# KiCad board owl-driver-board-16.kicad_pcb (continued)
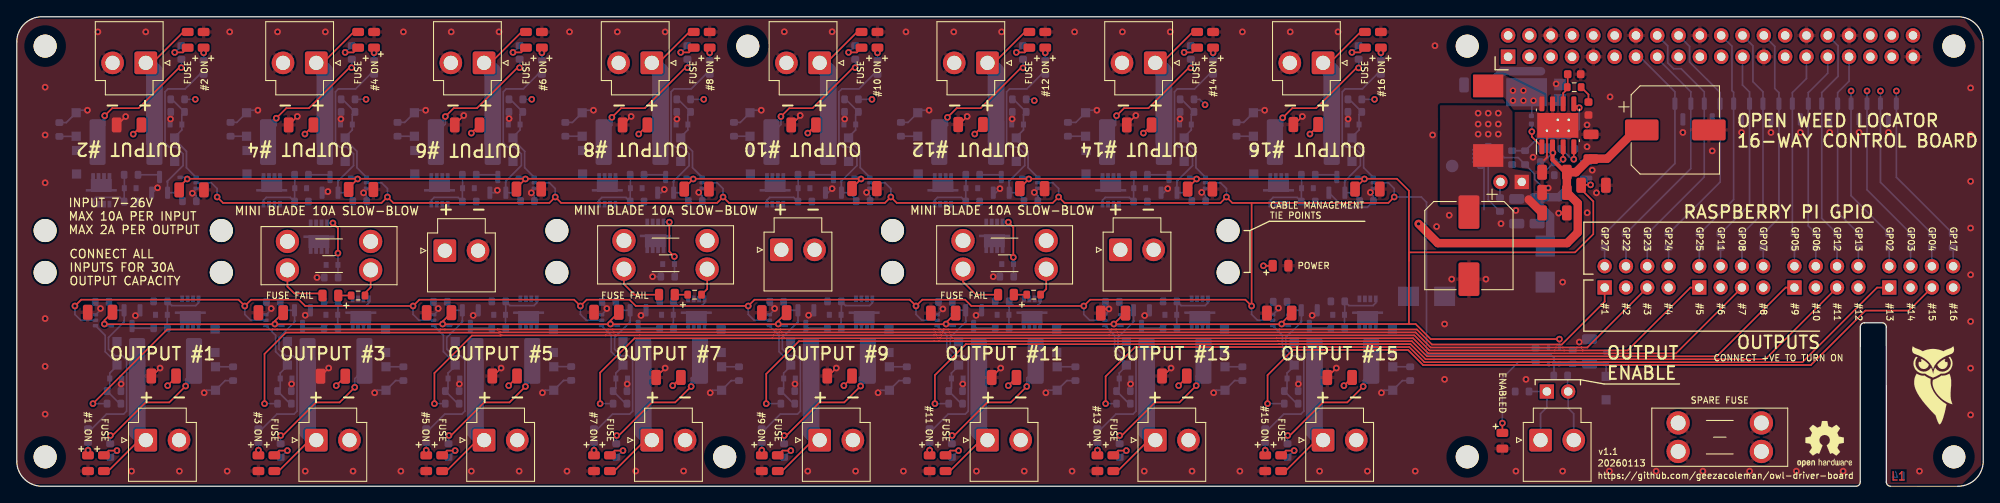
[diagram p0: board, top side]
## Routing (per net, layer and track width the routed paths; a pad name or vN(x,y) marks a point on that pad's centre or on a via; arc(x,y) is an arc through that point) (continued)
MOSFET11: length 118.4
  Top w0.2: J27.5 208.41,15.15 167.92,15.15 166.12,16.95 150.45,16.95 150.44,16.95 113.13,16.95 109.43,13.25 v1(109.43,9.85)
  Bottom w0.2: v1(109.43,9.85) R101.2
MOSFET12: length 111.5
  In1.Cu w0.2: v1(121.28,46) 121.63,46.35 143.83,46.35 169.78,20.4 216.2,20.4 J27.7
  Bottom w0.2: R108.2 121.13,46.15 v1(121.28,46)
MOSFET13: length 103.8
  Top w0.2: v1(129.78,9.85) 129.78,13.1 133.28,16.6 150.59,16.6 150.59,16.6 165.98,16.6 167.78,14.8 212.83,14.8 221.73,23.7 J29.1
  Bottom w0.2: v1(129.78,9.85) R115.2
MOSFET14: length 97.7
  In1.Cu w0.2: v1(141.63,45.5) 144.18,45.5 169.63,20.05 222.07,20.05 J29.3
  Bottom w0.2: R122.2 140.98,46.15 v1(141.63,45.5)
MOSFET15: length 90.4
  Top w0.2: v1(149.08,9.85) 149.08,13.25 152.08,16.25 165.83,16.25 167.63,14.45 213.83,14.45 220.33,20.95 225.51,20.95 J29.5
  Bottom w0.2: v1(149.08,9.85) R129.2
MOSFET16: length 86.2
  In1.Cu w0.2: J29.7 232.08,24.98 232.08,28 230.23,29.85 174.6,29.85 161.83,42.62 v1(161.83,46.15)
  Bottom w0.2: v1(161.83,46.15) R136.2
PI1: length 2.2
  Bottom w0.2: J6.2 R38.2
PI2: length 2.2
  Bottom w0.2: J6.4 191.8,28.44
PI3: length 2.2
  Bottom w0.2: J6.6 194.34,28.46
PI4: length 2.2
  Bottom w0.2: J6.8 196.88,28.46
PI5: length 2.2
  Bottom w0.2: J25.2 200.54,28.46
PI6: length 2.2
  Bottom w0.2: J25.4 203.08,28.46
PI7: length 2.2
  Bottom w0.2: J25.6 205.62,28.44
PI8: length 2.2
  Bottom w0.2: J25.8 R32.2
PI9: length 2.2
  Bottom w0.2: J27.2 211.88,28.46
PI10: length 2.2
  Bottom w0.2: J27.4 214.42,28.44
PI11: length 2.2
  Bottom w0.2: J27.6 R144.2
PI12: length 2.2
  Bottom w0.2: J27.8 219.5,28.42
PI13: length 2.2
  Bottom w0.2: J29.2 223.18,28.46
PI14: length 2.2
  Bottom w0.2: J29.4 225.72,28.44
PI15: length 2.2
  Bottom w0.2: J29.6 R36.2
PI16: length 2.2
  Bottom w0.2: J29.8 230.8,28.44
Net-(C23-Pad1): length 2.1
  Top w0.2: R44.2 187.33,46.73 C23.1
Net-(D1-A): length 1.5
  Top w0.2: R1.1 D1.2
Net-(D1-K): length 6.3
  Top w0.2: 36.14,22.78 35.92,23 33.08,23 32.26,23.82 F1.2
Net-(D4-A): length 2.8
  Top w0.2: v1(11.94,4.25) 10.95,4.25 D4.2
  Bottom w0.2: 11.24,3.55 v1(11.94,4.25)
Net-(D5-A): length 2.8
  Top w0.2: v1(18.82,51.75) 19.81,51.75 D5.2
  Bottom w0.2: 19.52,52.45 v1(18.82,51.75)
Net-(D6-A): length 7.4
  Top w0.2: v1(37.68,31.4) 38.28,30.8 v1(38.28,27.8)
  Bottom w0.2: v1(38.28,27.8) D6.2 38.28,24.93 ; v1(37.68,31.4) 37.67,31.41 Q1.1
Net-(D12-A): length 11.2
  Bottom w0.2: U5.1 10.54,18 10.54,16.05 11.94,14.65 ; 11.94,14.35 11.09,13.5 D45.1 11.09,11.68 R53.2 12.26,9.85
Net-(D13-A): length 11.2
  Bottom w0.2: 18.82,41.65 19.67,42.5 D46.1 19.67,44.33 R54.2 18.5,46.15 ; 18.82,41.35 20.22,39.95 20.22,38 U6.1
Net-(D14-A): length 11.2
  Bottom w0.2: 32.25,14.65 30.85,16.05 30.85,18 U7.1 ; 32.58,9.85 R56.2 31.4,11.68 D47.1 31.4,13.5 32.25,14.35
Net-(D19-A): length 2.8
  Top w0.2: v1(32.25,4.25) 31.26,4.25 D19.2
  Bottom w0.2: 31.55,3.55 v1(32.25,4.25)
Net-(D20-A): length 11.2
  Bottom w0.2: U10.1 40.54,38 40.54,39.95 39.14,41.35 ; 38.81,46.15 R57.2 39.99,44.33 D48.1 39.99,42.5 39.14,41.65
Net-(D24-A): length 2.8
  Top w0.2: v1(39.14,51.75) 40.12,51.75 D24.2
  Bottom w0.2: 39.84,52.45 v1(39.14,51.75)
Net-(D25-A): length 11.2
  Bottom w0.2: 52.25,14.65 50.85,16.05 50.85,18 U11.1 ; 52.58,9.85 R62.2 51.4,11.68 D49.1 51.4,13.5 52.25,14.35
Net-(D29-A): length 0.9
  Bottom w0.2: R58.1 v1(8.49,4.3)
Net-(D30-A): length 0.9
  Bottom w0.2: R59.1 v1(22.27,51.7)
Net-(D31-A): length 0.9
  Bottom w0.2: R60.1 v1(28.8,4.3)
Net-(D32-A): length 1.5
  Top w0.2: R24.1 D32.2
Net-(D32-K): length 6.5
  Top w0.2: D32.1 73.63,22.85 72.37,24.11 F18.2
Net-(D33-A): length 7.4
  Top w0.2: v1(78.38,27.4) 77.78,28 v1(77.78,31.5)
  Bottom w0.2: D33.2 78.39,25.03 ; Q34.1 77.77,31.51 v1(77.78,31.5) ; v1(78.38,27.4) 78.38,26.51
Net-(D37-A): length 0.9
  Bottom w0.2: R61.1 v1(42.59,51.7)
Net-(D38-A): length 2.3
  Top w0.2: v1(148.58,26.3) D38.2
  Bottom w0.2: v1(148.58,26.3) 149.8,26.3
Net-(D41-A): length 11.3
  Top w0.2: D41.2 v1(177.07,7.53)
  Bottom w0.2: R55.1 178.99,14.83 177.07,12.9 v1(177.07,7.53)
Net-(D42-A): length 0.9
  Bottom w0.2: R63.1 v1(48.8,4.3)
Net-(D43-A): length 2.8
  Top w0.2: D43.2 51.26,4.25 v1(52.25,4.25)
  Bottom w0.2: 51.55,3.55 v1(52.25,4.25)
Net-(D44-A): length 11.2
  Bottom w0.2: 59.14,41.65 59.99,42.5 D50.1 59.99,44.33 R67.2 58.81,46.15 ; 59.14,41.35 60.54,39.95 60.54,38 U12.1
Net-(D51-A): length 0.9
  Bottom w0.2: R68.1 v1(62.59,51.7)
Net-(D55-A): length 2.8
  Top w0.2: D55.2 60.12,51.75 v1(59.14,51.75)
  Bottom w0.2: 59.84,52.45 v1(59.14,51.75)
Net-(D56-A): length 11.2
  Bottom w0.2: 72.58,9.85 R74.2 71.4,11.68 D57.1 71.4,13.5 72.25,14.35 ; U13.1 70.85,18 70.85,16.05 72.25,14.65
Net-(D58-A): length 0.9
  Bottom w0.2: R75.1 v1(68.8,4.3)
Net-(D62-A): length 2.8
  Top w0.2: v1(72.25,4.25) 71.26,4.25 D62.2
  Bottom w0.2: 71.55,3.55 v1(72.25,4.25)
Net-(D63-A): length 11.2
  Bottom w0.2: 79.14,41.35 80.54,39.95 80.54,38 U14.1 ; 78.81,46.15 R81.2 79.99,44.33 D64.1 79.99,42.5 79.14,41.65
Net-(D65-A): length 0.9
  Bottom w0.2: R82.1 v1(82.59,51.7)
Net-(D69-A): length 2.8
  Top w0.2: v1(79.14,51.75) 80.12,51.75 D69.2
  Bottom w0.2: 79.84,52.45 v1(79.14,51.75)
Net-(D70-A): length 11.2
  Bottom w0.2: U15.1 90.85,18 90.85,16.05 92.25,14.65 ; 92.25,14.35 91.4,13.5 D71.1 91.4,11.68 R88.2 92.58,9.85
Net-(D72-A): length 0.9
  Bottom w0.2: R89.1 v1(88.8,4.3)
Net-(D76-A): length 2.8
  Top w0.2: D76.2 91.26,4.25 v1(92.25,4.25)
  Bottom w0.2: 91.55,3.55 v1(92.25,4.25)
Net-(D77-A): length 11.2
  Bottom w0.2: 99.14,41.65 99.99,42.5 D78.1 99.99,44.33 R95.2 98.81,46.15 ; U16.1 100.54,38 100.54,39.95 99.14,41.35
Net-(D79-A): length 0.9
  Bottom w0.2: R96.1 v1(102.59,51.7)
Net-(D83-A): length 2.8
  Top w0.2: v1(99.14,51.75) 100.12,51.75 D83.2
  Bottom w0.2: 99.84,52.45 v1(99.14,51.75)
Net-(D84-A): length 11.2
  Bottom w0.2: 112.58,9.85 R102.2 111.4,11.68 D85.1 111.4,13.5 112.25,14.35 ; U17.1 110.85,18 110.85,16.05 112.25,14.65
Net-(D86-A): length 0.9
  Bottom w0.2: R103.1 v1(108.8,4.3)
Net-(D90-A): length 2.8
  Top w0.2: v1(112.25,4.25) 111.26,4.25 D90.2
  Bottom w0.2: 111.55,3.55 v1(112.25,4.25)
Net-(D91-A): length 11.2
  Bottom w0.2: U18.1 120.54,38 120.54,39.95 119.14,41.35 ; 119.14,41.65 119.99,42.5 D92.1 119.99,44.33 R109.2 118.81,46.15
Net-(D93-A): length 0.9
  Bottom w0.2: R110.1 v1(122.59,51.7)
Net-(D97-A): length 2.8
  Top w0.2: v1(119.14,51.75) 120.12,51.75 D97.2
  Bottom w0.2: 119.84,52.45 v1(119.14,51.75)
Net-(D98-A): length 11.2
  Bottom w0.2: U19.1 130.85,18 130.85,16.05 132.25,14.65 ; 132.58,9.85 R116.2 131.4,11.68 D99.1 131.4,13.5 132.25,14.35
Net-(D100-A): length 0.9
  Bottom w0.2: R117.1 v1(128.8,4.3)
Net-(D104-A): length 2.8
  Top w0.2: v1(132.25,4.25) 131.26,4.25 D104.2
  Bottom w0.2: 131.55,3.55 v1(132.25,4.25)
Net-(D105-A): length 11.2
  Bottom w0.2: 139.14,41.35 140.54,39.95 140.54,38 U20.1 ; 138.81,46.15 R123.2 139.99,44.33 D106.1 139.99,42.5 139.14,41.65
Net-(D107-A): length 0.9
  Bottom w0.2: R124.1 v1(142.59,51.7)
Net-(D111-A): length 2.8
  Top w0.2: D111.2 140.12,51.75 v1(139.14,51.75)
  Bottom w0.2: 139.84,52.45 v1(139.14,51.75)
Net-(D112-A): length 11.2
  Bottom w0.2: 152.25,14.35 151.4,13.5 D113.1 151.4,11.68 R130.2 152.58,9.85 ; U21.1 150.85,18 150.85,16.05 152.25,14.65
Net-(D114-A): length 0.9
  Bottom w0.2: R131.1 v1(148.8,4.3)
Net-(D118-A): length 2.8
  Top w0.2: v1(152.25,4.25) 151.26,4.25 D118.2
  Bottom w0.2: 151.55,3.55 v1(152.25,4.25)
Net-(D119-A): length 11.2
  Bottom w0.2: 159.14,41.65 159.99,42.5 D120.1 159.99,44.33 R137.2 158.81,46.15 ; U22.1 160.54,38 160.54,39.95 159.14,41.35
Net-(D121-A): length 0.9
  Bottom w0.2: R138.1 v1(162.59,51.7)
Net-(D125-A): length 2.8
  Top w0.2: D125.2 160.12,51.75 v1(159.14,51.75)
  Bottom w0.2: 159.84,52.45 v1(159.14,51.75)
Net-(D132-A): length 1.5
  Top w0.2: R26.1 D132.2
Net-(D132-K): length 6.3
  Top w0.2: D132.1 114.33,22.85 112.78,24.4 F19.2
Net-(D133-A): length 7.4
  Top w0.2: v1(118.78,27.3) 118.78,30.9 v1(118.18,31.5)
  Bottom w0.2: Q35.1 118.17,31.51 v1(118.18,31.5) ; D133.2 118.8,25.03 ; v1(118.78,27.3) 118.78,26.52
Net-(J2-CE0): length 25.7
  Bottom w0.2: J2.24 206.93,52.53 206.93,48.25 208.13,47.05 D127.1 208.13,32.59 R33.1
Net-(J2-CE1): length 25.2
  Bottom w0.2: R32.1 210.03,32 D127.2 210.03,46.95 209.53,47.45 209.53,52.47 J2.26
Net-(J2-GP5): length 21.6
  Bottom w0.2: 211.63,30.36 D131.1 211.63,46.95 213.31,48.63 J2.29
Net-(J2-GP6): length 22.5
  Bottom w0.2: J2.31 215.85,49.27 213.53,46.95 D131.2 213.53,31.06 R145.1
Net-(J2-GP12): length 25.7
  Bottom w0.2: J2.32 217.08,52.54 217.08,48.9 215.13,46.95 D130.1 215.13,31.96 R144.1
Net-(J2-GP13): length 22.7
  Bottom w0.2: J2.33 218.39,48.31 217.03,46.95 D130.2 217.03,32.66 R143.1
Net-(J2-GP22): length 25.8
  Bottom w0.2: 195.53,51.05 199.53,47.05 D34.2 199.53,37.9 R29.1
Net-(J2-GP23): length 29.3
  Bottom w0.2: R30.1 201.13,36.9 D35.1 201.13,47.05 198.38,49.8 197.48,49.8 196.78,50.5 196.78,52.52 J2.16
Net-(J2-GP24): length 28.3
  Bottom w0.2: J2.18 199.38,52.46 199.38,50.6 203.03,46.95 D35.2 203.03,36.3 R31.1
Net-(J2-GP25): length 25.9
  Bottom w0.2: R39.1 204.63,34.2 D126.1 204.63,47 204.43,47.2 204.43,52.49 J2.22
Net-(J2-GP27): length 26.3
  Bottom w0.2: 193.45,51.23 197.63,47.05 D34.1 197.63,38.5 R38.1
Net-(J2-SCLK): length 22.9
  Bottom w0.2: J2.23 205.69,47.86 206.53,47.02 D126.2 206.53,33.59 R34.1
Net-(J3-Pin_1): length 3
  Top w0.2: 41.5,23.05 42.18,23.73 F1.1
Net-(J10-Pin_1): length 8.2
  Bottom w0.2: R48.2 J11.1 182.37,9.4 181.62,8.65 J10.1
Net-(J10-Pin_2): length 7.9
  Bottom w0.2: 185.57,5.51 185.57,8.65 184.91,9.31 J11.2 ; R49.1 184.84,11.37
Net-(J24-Pin_1): length 3.3
  Top w0.2: R24.2 82.29,23.53 F18.1
Net-(J26-Pin_1): length 3.3
  Top w0.2: F19.1 122.7,23.53 R26.2
Net-(Q4-D): length 2.7
  Bottom w0.2: Q4.3 14,18.85 R6.1
Net-(Q4-G): length 22.7
  Bottom w0.2: U5.4 11.82,20.99 ; 11.82,20.99 11,21.81 ; 11.82,20.99 Q4.1 ; 12.8,19.75 12.8,19.59 ; 12.8,19.75 12.8,19.61 10.94,17.75 10.94,16.35 11.74,15.55 12.59,15.55 13.09,15.05 13.09,8.95 12.74,8.6 10.69,8.6 8.94,6.85 8.51,6.85 ; 12.8,19.75 12.8,20.98
Net-(Q5-D): length 2.7
  Bottom w0.2: R7.1 16.76,37.15 Q5.3
Net-(Q5-G): length 22.7
  Bottom w0.2: 17.96,35.02 17.96,36.25 ; 17.96,36.25 17.96,36.39 19.82,38.25 19.82,39.65 19.02,40.45 18.17,40.45 17.67,40.95 17.67,47.05 18.02,47.4 20.07,47.4 21.82,49.15 22.25,49.15 ; 17.96,36.25 17.96,36.41 ; 18.93,35.01 Q5.1 ; 18.93,35.01 19.75,34.19 ; 18.93,35.01 U6.4
Net-(Q6-D): length 2.7
  Bottom w0.2: R16.1 34.31,18.85 Q6.3
Net-(Q6-G): length 22.6
  Bottom w0.2: 33.11,19.75 33.11,19.61 31.25,17.75 31.25,16.35 32.05,15.55 32.9,15.55 33.4,15.05 33.4,8.95 33.05,8.6 31,8.6 29.25,6.85 28.83,6.85 ; 33.11,19.75 33.11,19.59 ; 33.11,19.75 33.11,20.98 ; U7.4 32.14,20.99 ; 32.14,20.99 Q6.1 ; 32.14,20.99 31.4,21.72
Net-(Q8-D): length 2.7
  Bottom w0.2: Q8.3 37.07,37.15 R21.1
Net-(Q8-G): length 22.7
  Bottom w0.2: 38.27,36.25 38.27,36.41 ; 38.27,36.25 38.27,35.02 ; 38.27,36.25 38.27,36.39 40.14,38.25 40.14,39.65 39.34,40.45 38.49,40.45 37.99,40.95 37.99,47.05 38.34,47.4 40.39,47.4 42.14,49.15 42.56,49.15 ; U10.4 39.25,35.01 ; 39.25,35.01 Q8.1 ; 39.25,35.01 40.05,34.21
Net-(Q10-D): length 2.7
  Bottom w0.2: Q10.3 54.31,18.85 R64.1
Net-(Q10-G): length 22.7
  Bottom w0.2: U11.4 52.14,20.99 ; 52.14,20.99 Q10.1 ; 52.14,20.99 51.3,21.82 ; 53.11,20.98 53.11,19.75 ; 53.11,19.75 53.11,19.61 51.25,17.75 51.25,16.35 52.05,15.55 52.9,15.55 53.4,15.05 53.4,8.95 53.05,8.6 51,8.6 49.25,6.85 48.83,6.85 ; 53.11,19.75 53.11,19.59
Net-(Q12-D): length 2.7
  Bottom w0.2: R71.1 57.07,37.15 Q12.3
Net-(Q12-G): length 22.7
  Bottom w0.2: 58.27,36.25 58.27,36.41 ; 58.27,36.25 58.27,36.39 60.14,38.25 60.14,39.65 59.34,40.45 58.49,40.45 57.99,40.95 57.99,47.05 58.34,47.4 60.39,47.4 62.14,49.15 62.56,49.15 ; 58.27,36.25 58.27,35.02 ; 60.05,34.21 59.25,35.01 ; 59.25,35.01 Q12.1 ; 59.25,35.01 U12.4
Net-(Q14-D): length 2.7
  Bottom w0.2: R78.1 74.31,18.85 Q14.3
Net-(Q14-G): length 22.6
  Bottom w0.2: 71.4,21.72 72.14,20.99 ; 72.14,20.99 U13.4 ; 72.14,20.99 Q14.1 ; 68.83,6.85 69.25,6.85 71,8.6 73.05,8.6 73.4,8.95 73.4,15.05 72.9,15.55 72.05,15.55 71.25,16.35 71.25,17.75 73.11,19.61 73.11,19.75 ; 73.11,19.75 73.11,19.59 ; 73.11,19.75 73.11,20.98
Net-(Q16-D): length 2.7
  Bottom w0.2: Q16.3 77.07,37.15 R85.1
Net-(Q16-G): length 22.7
  Bottom w0.2: 78.27,35.02 78.27,36.25 ; 78.27,36.25 78.27,36.41 ; 78.27,36.25 78.27,36.39 80.14,38.25 80.14,39.65 79.34,40.45 78.49,40.45 77.99,40.95 77.99,47.05 78.34,47.4 80.39,47.4 82.14,49.15 82.56,49.15 ; 79.25,35.01 Q16.1 ; 79.25,35.01 80.05,34.21 ; 79.25,35.01 U14.4
Net-(Q18-D): length 2.7
  Bottom w0.2: R92.1 94.31,18.85 Q18.3
Net-(Q18-G): length 22.6
  Bottom w0.2: 91.4,21.72 92.14,20.99 ; 92.14,20.99 U15.4 ; 92.14,20.99 Q18.1 ; 93.11,20.98 93.11,19.75 ; 93.11,19.75 93.11,19.59 ; 93.11,19.75 93.11,19.61 91.25,17.75 91.25,16.35 92.05,15.55 92.9,15.55 93.4,15.05 93.4,8.95 93.05,8.6 91,8.6 89.25,6.85 88.83,6.85
Net-(Q20-D): length 2.7
  Bottom w0.2: R99.1 97.07,37.15 Q20.3
Net-(Q20-G): length 22.7
  Bottom w0.2: 102.56,49.15 102.14,49.15 100.39,47.4 98.34,47.4 97.99,47.05 97.99,40.95 98.49,40.45 99.34,40.45 100.14,39.65 100.14,38.25 98.27,36.39 98.27,36.25 ; 100.05,34.21 99.25,35.01 ; 99.25,35.01 U16.4 ; 99.25,35.01 Q20.1 ; 98.27,36.25 98.27,35.02 ; 98.27,36.25 98.27,36.41
Net-(Q22-D): length 2.7
  Bottom w0.2: Q22.3 114.31,18.85 R106.1
Net-(Q22-G): length 22.8
  Bottom w0.2: 112.14,20.99 Q22.1 ; 112.14,20.99 U17.4 ; 112.14,20.99 111.5,21.62 R104.2 ; 108.83,6.85 109.25,6.85 111,8.6 113.05,8.6 113.4,8.95 113.4,15.05 112.9,15.55 112.05,15.55 111.25,16.35 111.25,17.75 113.11,19.61 113.11,19.75 ; 113.11,19.75 113.11,20.98 ; 113.11,19.75 113.11,19.59
Net-(Q24-D): length 2.7
  Bottom w0.2: R113.1 117.07,37.15 Q24.3
Net-(Q24-G): length 22.7
  Bottom w0.2: 118.27,35.02 118.27,36.25 ; 118.27,36.25 118.27,36.41 ; 118.27,36.25 118.27,36.39 120.14,38.25 120.14,39.65 119.34,40.45 118.49,40.45 117.99,40.95 117.99,47.05 118.34,47.4 120.39,47.4 122.14,49.15 122.56,49.15 ; 120.05,34.21 119.25,35.01 ; 119.25,35.01 U18.4 ; 119.25,35.01 Q24.1
Net-(Q26-D): length 2.7
  Bottom w0.2: R120.1 134.31,18.85 Q26.3
Net-(Q26-G): length 22.6
  Bottom w0.2: U19.4 132.14,20.99 ; 132.14,20.99 131.4,21.72 ; 132.14,20.99 Q26.1 ; 133.11,19.75 133.11,19.59 ; 133.11,19.75 133.11,20.98 ; 133.11,19.75 133.11,19.61 131.25,17.75 131.25,16.35 132.05,15.55 132.9,15.55 133.4,15.05 133.4,8.95 133.05,8.6 131,8.6 129.25,6.85 128.83,6.85
Net-(Q28-D): length 2.7
  Bottom w0.2: Q28.3 137.07,37.15 R127.1
Net-(Q28-G): length 22.7
  Bottom w0.2: 140.05,34.21 139.25,35.01 ; 139.25,35.01 Q28.1 ; 139.25,35.01 U20.4 ; 142.56,49.15 142.14,49.15 140.39,47.4 138.34,47.4 137.99,47.05 137.99,40.95 138.49,40.45 139.34,40.45 140.14,39.65 140.14,38.25 138.27,36.39 138.27,36.25 ; 138.27,36.25 138.27,35.02 ; 138.27,36.25 138.27,36.41
Net-(Q30-D): length 2.7
  Bottom w0.2: R134.1 154.31,18.85 Q30.3
Net-(Q30-G): length 22.6
  Bottom w0.2: 153.11,19.75 153.11,19.61 151.25,17.75 151.25,16.35 152.05,15.55 152.9,15.55 153.4,15.05 153.4,8.95 153.05,8.6 151,8.6 149.25,6.85 148.83,6.85 ; 153.11,19.75 153.11,20.98 ; 153.11,19.75 153.11,19.59 ; 151.4,21.72 152.14,20.99 ; 152.14,20.99 Q30.1 ; 152.14,20.99 U21.4
Net-(Q32-D): length 2.7
  Bottom w0.2: R141.1 157.07,37.15 Q32.3
Net-(Q32-G): length 22.7
  Bottom w0.2: 158.27,36.25 158.27,36.41 ; 158.27,36.25 158.27,36.39 160.14,38.25 160.14,39.65 159.34,40.45 158.49,40.45 157.99,40.95 157.99,47.05 158.34,47.4 160.39,47.4 162.14,49.15 162.56,49.15 ; 158.27,36.25 158.27,35.02 ; U22.4 159.25,35.01 ; 159.25,35.01 Q32.1 ; 159.25,35.01 160.05,34.21
Net-(R55-Pad2): length 1.5
  Bottom w0.2: U8.4 181.04,16.5
Net-(U3-EN): length 6.3
  Bottom w0.2: R46.1 175.38,34.18 U3.1

## Copper pours and planes (outline as drawn; the poured copper is in the pictures)
+5V on Top, Bottom: 178.28,44.7 178.28,37.85 180.49,37.49 180.54,33.57 169.61,33.57 169.61,42.45 169.65,42.45 169.63,45.45 178.56,45.42
GND on Top, Bottom, In1.Cu, In2.Cu: 234.13,2.5 231.88,0.25 -0.22,0.25 -0.22,55.75 232.13,55.75 234.13,53
VCC on Bottom: 1.88,55.75 167.98,55.7 167.9,11.45 195.18,11.45 195.18,0.2 1.88,0.25
/Output chain 1/DRAIN on Bottom: 24.36,16.22 24.36,13.62 21.97,12.22 20.06,12.22 20.06,17.62 19.24,18.42 19.24,20.92 21.96,20.92 22.54,17.75
/Output chain 2/DRAIN on Bottom: 6.39,39.78 6.39,42.38 8.79,43.78 10.69,43.78 10.69,38.38 11.52,37.58 11.52,35.08 8.79,35.08 8.22,38.25
/Output chain 3/DRAIN on Bottom: 44.68,16.22 44.68,13.62 42.29,12.22 40.38,12.22 40.38,17.62 39.55,18.42 39.55,20.92 42.28,20.92 42.85,17.75
/Output chain 4/DRAIN on Bottom: 26.71,39.78 26.71,42.38 29.1,43.78 31.01,43.78 31.01,38.38 31.84,37.58 31.84,35.08 29.11,35.08 28.54,38.25
/Output chain 5/DRAIN on Bottom: 64.68,16.22 64.68,13.62 62.29,12.22 60.38,12.22 60.38,17.62 59.55,18.42 59.55,20.92 62.28,20.92 62.85,17.75
/Output chain 6/DRAIN on Bottom: 46.71,39.78 46.71,42.38 49.1,43.78 51.01,43.78 51.01,38.38 51.84,37.58 51.84,35.08 49.11,35.08 48.54,38.25
/Output chain 7/DRAIN on Bottom: 84.68,16.22 84.68,13.62 82.29,12.22 80.38,12.22 80.38,17.62 79.55,18.42 79.55,20.92 82.28,20.92 82.85,17.75
/Output chain 8/DRAIN on Bottom: 66.71,39.78 66.71,42.38 69.1,43.78 71.01,43.78 71.01,38.38 71.84,37.58 71.84,35.08 69.11,35.08 68.54,38.25
/Output chain 9/DRAIN on Bottom: 104.68,16.22 104.68,13.62 102.29,12.22 100.38,12.22 100.38,17.62 99.55,18.42 99.55,20.92 102.28,20.92 102.85,17.75
/Output chain 10/DRAIN on Bottom: 86.71,39.78 86.71,42.38 89.1,43.78 91.01,43.78 91.01,38.38 91.84,37.58 91.84,35.08 89.11,35.08 88.54,38.25
/Output chain 11/DRAIN on Bottom: 124.68,16.22 124.68,13.62 122.29,12.22 120.38,12.22 120.38,17.62 119.55,18.42 119.55,20.92 122.28,20.92 122.85,17.75
/Output chain 12/DRAIN on Bottom: 106.71,39.78 106.71,42.38 109.1,43.78 111.01,43.78 111.01,38.38 111.84,37.58 111.84,35.08 109.11,35.08 108.54,38.25
/Output chain 13/DRAIN on Bottom: 144.68,16.22 144.68,13.62 142.29,12.22 140.38,12.22 140.38,17.62 139.55,18.42 139.55,20.92 142.28,20.92 142.85,17.75
/Output chain 14/DRAIN on Bottom: 126.71,39.78 126.71,42.38 129.1,43.78 131.01,43.78 131.01,38.38 131.84,37.58 131.84,35.08 129.11,35.08 128.54,38.25
/Output chain 15/DRAIN on Bottom: 164.68,16.22 164.68,13.62 162.29,12.22 160.38,12.22 160.38,17.62 159.55,18.42 159.55,20.92 162.28,20.92 162.85,17.75
/Output chain 16/DRAIN on Bottom: 146.71,39.78 146.71,42.38 149.1,43.78 151.01,43.78 151.01,38.38 151.84,37.58 151.84,35.08 149.11,35.08 148.54,38.25
/PI_5V0_P on Bottom: 177.98,37.1 177.98,35.7 175.88,35.7 175.88,39 175.38,39 175.38,39.3 176.68,39.3
/SW on Top: 182.08,46.7 182.08,44.9 178.4,44.9 177.26,46.4 173.58,46.4 173.58,49.1 177.18,49.1
PI_5V0 on Bottom: 181.38,52.5 179.74,52.5 176.63,45.62 172.38,45.63 172.42,39.8 174.46,39.82 174.51,33.58 169.66,33.56 169.65,49.12 172.01,51.28 173.91,53.28 176.18,55.78 181.38,55.8
Net-(D1-K) on Bottom: 32.28,30.6 37.28,30 37.28,27.7 32.78,24.5 30.88,25.7 30.88,29.3
Net-(D32-K) on Bottom: 72.38,30.63 77.38,30.03 77.38,27.73 72.88,24.53 70.98,25.73 70.98,29.33
Net-(D132-K) on Bottom: 112.81,30.64 117.81,30.04 117.81,27.74 113.31,24.54 111.41,25.74 111.41,29.34
Net-(J3-Pin_1) on Bottom: 52.37,26.75 42.38,24.4 40.88,25.8 40.88,29.5 42.18,30.6 52.38,29.5
Net-(J24-Pin_1) on Bottom: 92.47,26.85 82.48,24.5 80.98,25.9 80.98,29.6 82.28,30.7 92.48,29.6
Net-(J26-Pin_1) on Bottom: 132.87,26.95 122.88,24.6 121.38,26 121.38,29.7 122.68,30.8 132.88,29.7

## Text on the board
Bottom: L4
B.Silkscreen: M2.5 | +
User.Comments: Copper Layer Count: | Board overall dimensions: | Min track/spacing: | Copper Finish: | Castellated pads: | Edge card connectors: | 4 | 234.3787 mm x 56.0000 mm | 0.2000 mm / 0.1500 mm | HASL Lead-Free | No | Board Thickness: | Min hole diameter: | Impedance Control: | Plated Board Edge: | 1.6000 mm | 0.3000 mm | BOARD CHARACTERISTICS
Top: L1
F.Silkscreen: FUSE FAIL | CABLE MANAGEMENT / TIE POINTS | POWER | v1.1 | 20260113 | SPARE FUSE | https://github.com/geezacoleman/owl-driver-board | CONNECT +VE TO TURN ON | FUSE | #2 ON | #4 ON | #6 ON | #8 ON | #10 ON | #12 ON | #14 ON | #16 ON | #1 | #2 | #3 | #4 | #5 | #6 | #7 | #8 | #9 | #10 | #11 | #12 | #13 | #14 | #15 | #16 | #1 ON | #3 ON | #5 ON | #7 ON | #9 ON | #11 ON | #13 ON | #15 ON | ENABLED | GP27 | GP22 | GP23 | GP24 | GP25 | GP11 | GP08 | GP07 | GP05 | GP06 | GP12 | GP13 | GP02 | GP03 | GP04 | GP17 | INPUT 7-26V / MAX 10A PER INPUT / MAX 2A PER OUTPUT | CONNECT ALL / INPUTS FOR 30A / OUTPUT CAPACITY | MINI BLADE 10A SLOW-BLOW | + | - | OUTPUT / ENABLE | OPEN WEED LOCATOR / 16-WAY CONTROL BOARD | OUTPUT #1 | OUTPUT #3 | OUTPUT #5 | OUTPUT #7 | OUTPUT #9 | OUTPUT #11 | OUTPUT #13 | OUTPUT #15 | RASPBERRY PI GPIO | OUTPUTS | OUTPUT #2 | OUTPUT #4 | OUTPUT #6 | OUTPUT #8 | OUTPUT #10 | OUTPUT #12 | OUTPUT #14 | OUTPUT #16
In1.Cu: L2
In2.Cu: L3
